# Altium PCB Rear Power Distibution.PcbDoc (part 2 of 3)
Units mm, origin at the board's own origin, x right, y up, seen from the top; angles counter-clockwise.
Board outline 150 x 110 mm, 4 copper layers (Component Side, Ground, Signal, Solder Side), stack 0.843 mm thick; 312 components, 205 nets, 1228 pads, 506 vias.
Unrouted connection lines stored in the file: 174.
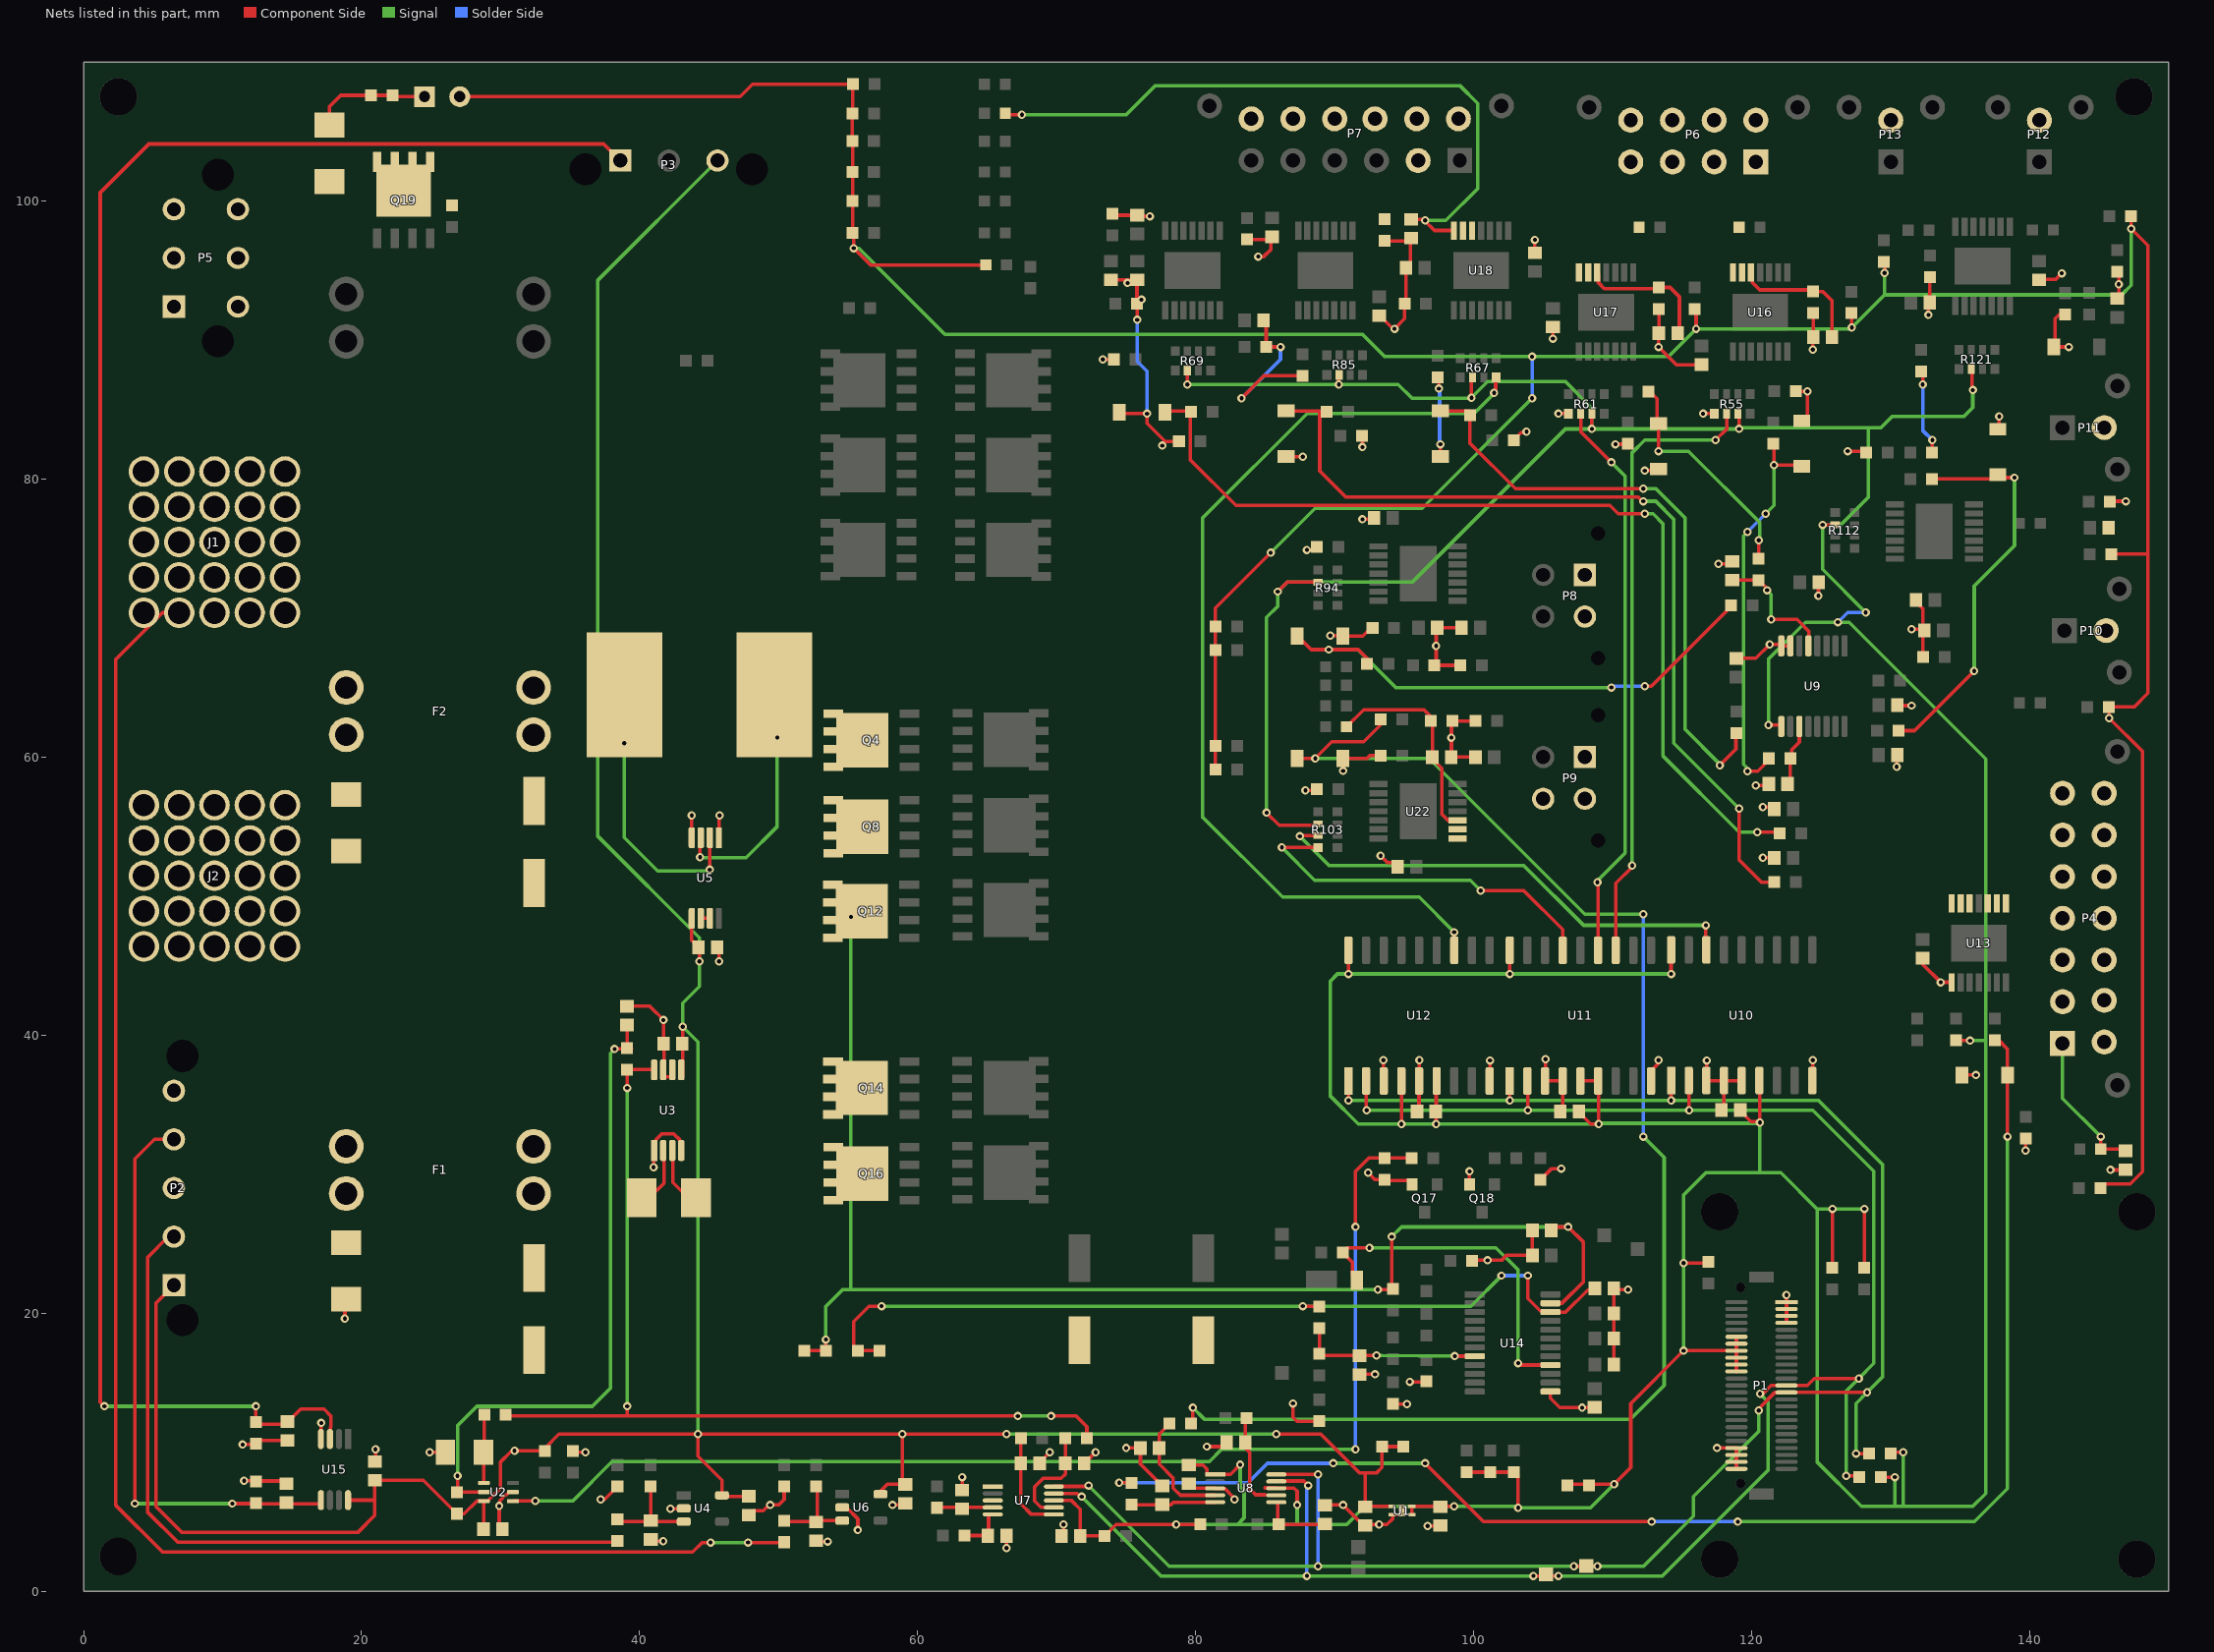
[diagram p4: the nets of this part, all layers, seen from the top]

## Part data (continued)
P10 P11 P12 P13: "Connector Header Through Hole 2 position", Contact Resistance=10mR, Current Rating=5A, Housing Colour=Black, Manufacturer=Molex, Manufacturer Part Number=43045-0227, Max Operating Temperature=105°C, Max Voltage Rating (DC)=250.25kV, Min Operating Temperature=-40°C, Package Quantity=3168, Supplier Part Number 1=WM10657-ND, Voltage Rating=600V, ComponentLink1Description=http://www.onlinecomponents.com/productFiles/mf-MOL/307170430450227_pcb_headers.pdf, ComponentLink1URL=http://www.onlinecomponents.com/productFiles/mf-MOL/307170430450227_pcb_headers.pdf, ComponentLink2Description=http://www.mouser.com/ds/2/276/0430450227_PCB_HEADERS-142611.pdf, ComponentLink2URL=http://www.mouser.com/ds/2/276/0430450227_PCB_HEADERS-142611.pdf, ComponentLink3Description=http://uk.rs-online.com/webdocs/13c3/0900766b813c3a46.pdf, ComponentLink3URL=http://uk.rs-online.com/webdocs/13c3/0900766b813c3a46.pdf, ComponentLink4Description=http://www.molex.com/webdocs/datasheets/pdf/en-us/0430450227_PCB_HEADERS.pdf, ComponentLink4URL=http://www.molex.com/webdocs/datasheets/pdf/en-us/0430450227_PCB_HEADERS.pdf, Contact Material=Brass, Contact Plating=Tin, Depth=8.77mm, Gender=Male, Glow Wire Compliant=Compliant, Halogen Free="Low Halogen", Housing Material=Thermoplastic, Length=7.15mm, Mount="Through Hole", Number of Circuits=2, Number of Contacts=2, Number of Ports=1, Number of Positions=2, Number of Rows=2, Number of Terminals=2, Orientation=Vertical, Packaging=Tray, Pitch=3mm, Pricing 1="1=0.84, 10=0.74, 25=0.6968, 50=0.6676, 100=0.6387, 250=0.5806, 500=0.52254, 1000=0.46448, 2500=0.42094 (USD)", Radiation Hardening=No, Row Spacing=3mm, Stock 1=3657, Supplier 1=Digi-Key, Termination=Solder
Q1 Q2 Q3 Q4 Q5 Q6 Q7 Q8 Q9 Q10 Q11 Q12 Q13 Q14 Q15 Q16 Q19: "P-Channel 16V 2.5A (Ta) 650mW (Ta) Surface Mount X2-DFN2015-3", Current - Continuous Drain (Id) @ 25°C="80A (Tc)", Drain to Source Voltage (Vdss)=40V, Drive Voltage (Max Rds On,  Min Rds On)="4.5V, 10V", Input Capacitance (Ciss) (Max) @ Vds="4840pF @ 20V", Operating Temperature="-55°C ~ 175°C (TJ", Package / Case=8-PowerTDFN, Power Dissipation (Max)="214W (Tj)", Supplier Device Package=FDWS9508L-F085OSCT-ND, ComponentLink1Description=https://www.onsemi.com/pub/Collateral/FDWS9508L-F085-D.PDF, ComponentLink1URL=https://www.onsemi.com/pub/Collateral/FDWS9508L-F085-D.PDF, FET Feature=-, FET Type=P-Channel, Gate Charge (Qg) (Max) @ Vgs="107nC @ 10V", Mounting Type="Surface Mount", Packaging="Cut Tape (CT)", Part Status=Active, Rds On (Max) @ Id, Vgs="4.9mOhm @ 80A, 10V", Supplier 1=Digi-Key, Supplier Part Number 1=FDWS9508L-F085OSCT-ND, Technology="MOSFET (Metal Oxide)", Vgs (Max)=±16V, Vgs(th) (Max) @ Id="3V @ 250μA"
Q17 Q18: "N-Channel 30V 6.2A (Ta) 900mW (Ta) Surface Mount SOT-23", Case/Package=TO-236-3, Continuous Drain Current (ID)=6.2A, Drain to Source Voltage (Vdss)=30V, Input Capacitance=873pF, Manufacturer=Diodes, Manufacturer Part Number=DMN3023L-7, Max Operating Temperature=150°C, Max Power Dissipation=900mW, Min Operating Temperature=-55°C, Supplier Part Number 1=DMN3023L-7DICT-ND, ComponentLink1Description=https://www.diodes.com/assets/Datasheets/DMN3023L.pdf, ComponentLink1URL=https://www.diodes.com/assets/Datasheets/DMN3023L.pdf, ComponentLink2Description=http://www.mouser.com/ds/2/115/DMN3023L-959533.pdf, ComponentLink2URL=http://www.mouser.com/ds/2/115/DMN3023L-959533.pdf, Mount="Surface Mount", Packaging="Tape and Reel", Pricing 1="1=0.47, 10=0.368, 100=0.2529, 500=0.1734, 1000=0.1301 (USD)", Rds On Max=25mR, Stock 1=38246, Supplier 1=Digi-Key
R1 R2 R3 R21 R22 R23 R24 R25 R28 R31 R58 R59 R64 R65 R75 R76 R77 R78 R89 R90 R98 R99 R107 R108 R116 R117 R125 R126: "4.7k Ohm ±1% 0.1W, 1/10W Chip Resistor 0603 (1608 Metric) Moisture Resistant Thick Film", Manufacturer 1=Yageo, Manufacturer Part Number 1=RC0603FR-074K7L, Operating Temperature="-55¡ãC ~ 155¡", Package / Case="0603 (1608 Metric)", Power (Watts)=1/10W, Resistance (Ohms)=4.7k, Supplier Device Package=0603, Supplier Part Number 1=311-4.70KHRCT-ND, Temperature Coefficient=¡À100ppm/¡, Tolerance=±1%, Category=Resistors, ComponentLink1Description=http://www.yageo.com/documents/recent/PYu-RC_Group_51_RoHS_L_7.pdf, ComponentLink1URL=http://www.yageo.com/documents/recent/PYu-RC_Group_51_RoHS_L_7.pdf, Composition="Thick Film", Description 1="RES SMD 4.7K OHM 1% 1/10W 0603", Failure Rate=-, Features="Moisture Resistant", Height - Seated (Max)="0.022\" (0.55mm)", Packaging="Cut Tape (CT)", Part Status=Active, Pricing 1="1=0.16, 10=0.022, 100=0.0089, 1000=0.00402, 2500=0.00349 (CAD)", RoHS="RoHS Compliant", Size / Dimension="0.063\" L x 0.031\" W (1.60mm x 0.80mm)", Stock 1=3487566, Supplier 1=Digi-Key
R4 R14 R20 R30 R33 R45 R46 R50 R52 R54 R57 R63 R79 R80 R81 R82 R91 R92 R100 R101 R109 R110 R118 R119 R127 R128: "RES SMD 10K OHM 1% 1/10W 0603", Manufacturer 1=Yageo, Manufacturer Part Number 1=RC0603FR-0710KL, Operating Temperature="-55¡ãC ~ 155¡", Package / Case="0603 (1608 Metric)", Power=1/10W, Resistance=10k, Supplier Device Package=0603, Supplier Part Number 1=311-10.0KHRCT-ND, Temperature Coefficient=¡À100ppm/¡, Tolerance=±1%, ComponentLink1Description=http://www.yageo.com/documents/recent/PYu-RC_Group_51_RoHS_L_7.pdf, ComponentLink1URL=http://www.yageo.com/documents/recent/PYu-RC_Group_51_RoHS_L_7.pdf, Composition="Thick Film", Failure Rate=-, Height - Seated (Max)="0.022\" (0.55mm)", Packaging="Cut Tape (CT)", Part Status=Active, Size / Dimension="0.063\" L x 0.031\" W (1.60mm x 0.80mm)", Supplier 1=Digi-Key
R5: "0.003 Ohm ±1% 1.5W Chip Resistor 2010 (5025 Metric) Current Sense, Moisture Resistant Metal Foil", Manufacturer 1="Stackpole Electronics Inc.", Manufacturer Part Number 1=CSNL2010FT3L00, Operating Temperature="-55¡ãC ~ 170¡", Package / Case="2010 (5025 Metric)", Power (Watts)=1.5W, Resistance (Ohms)=0.003R, Supplier Device Package=2010, Supplier Part Number 1=CSNL2010FT3L00CT-ND, Temperature Coefficient=¡À50ppm/¡, Tolerance=±1%, Category=Resistors, ComponentLink1Description=https://www.seielect.com/Catalog/SEI-csnl.pdf, ComponentLink1URL=https://www.seielect.com/Catalog/SEI-csnl.pdf, Composition="Metal Foil", Description 1="RES SMD 0.003 OHM 1% 1.5W 2010", Failure Rate=-, Features="Current Sense, Moisture Resistant", Height - Seated (Max)="0.041\" (1.04mm)", Packaging="Cut Tape (CT)", Part Status=Active, Pricing 1="1=1.02, 10=0.844, 25=0.7232, 50=0.6508, 100=0.5665, 250=0.5062, 500=0.4098, 1000=0.33145 (CAD)", RoHS="RoHS Compliant", Size / Dimension="0.200\" L x 0.100\" W (5.08mm x 2.54mm)", Stock 1=18532, Supplier 1=Digi-Key
R6: "11.8k Ohm ±1% 0.1W, 1/10W Chip Resistor 0603 (1608 Metric) Moisture Resistant Thick Film", Manufacturer=Yageo, Manufacturer Part Number=RC0603FR-0711K8L, Operating Temperature="-55¡ãC ~ 155¡", Package / Case="0603 (1608 Metric)", Power (Watts)=1/10W, Resistance (Ohms)=11.8k, Supplier Device Package=0603, Supplier Part Number 1=311-11.8KHRCT-ND, Temperature Coefficient=¡À100ppm/¡, Tolerance=±1%, Category=Resistors, ComponentLink1Description=http://www.yageo.com/documents/recent/PYu-RC_Group_51_RoHS_L_7.pdf, ComponentLink1URL=http://www.yageo.com/documents/recent/PYu-RC_Group_51_RoHS_L_7.pdf, Composition="Thick Film", Failure Rate=-, Features="Moisture Resistant", Height - Seated (Max)="0.022\" (0.55mm)", Packaging="Cut Tape (CT)", Part Status=Active, Pricing 1="1=0.16, 10=0.022, 100=0.0089, 1000=0.00402, 2500=0.00349 (CAD)", RoHS="RoHS Compliant", Size / Dimension="0.063\" L x 0.031\" W (1.60mm x 0.80mm)", Stock 1=203280, Supplier 1=Digi-Key
R7: library part "RES 1K OHM 5% 1/10W 0603", "1k Ohm ±5% 0.1W, 1/10W Chip Resistor 0603 (1608 Metric)", Manufacturer=Yageo, Manufacturer Part Number=RC0603JR-071KL, Operating Temperature="-55¡ãC ~ 155¡", Package / Case="0603 (1608 Metric)", Power (Watts)="0.1W, 1/10W", Resistance (Ohms)=1k, Supplier Device Package=0603, Supplier Part Number 1=311-1.0KGRCT-ND, Temperature Coefficient=¡À100ppm/¡, Tolerance=±5%, Category=Resistors, ComponentLink1Description=http://www.yageo.com/documents/recent/PYu-RC_Group_51_RoHS_L_7.pdf, ComponentLink1URL=http://www.yageo.com/documents/recent/PYu-RC_Group_51_RoHS_L_7.pdf, Composition="Thick Film", Failure Rate=-, Features="Moisture Resistant", Height - Seated (Max)="0.022\" (0.55mm)", Packaging="Cut Tape (CT)", Part Status=Active, Pricing 1="1=0.15, 10=0.017, 100=0.0071, 1000=0.0032, 2500=0.00278 (CAD)", RoHS="RoHS Compliant", Size / Dimension="0.063\" L x 0.031\" W (1.60mm x 0.80mm)", Stock 1=4415240, Supplier 1=Digi-Key
R8 R10 R12 R16 R18 R40 R41 R51 R53: "100 Ohm ±1% 0.1W, 1/10W Chip Resistor 0603 (1608 Metric) Moisture Resistant Thick Film", Manufacturer 1=Yageo, Manufacturer Part Number 1=RC0603FR-07100RL, Operating Temperature="-55¡ãC ~ 155¡", Package / Case="0603 (1608 Metric)", Power=1/10W, Resistance=100, Supplier Device Package=0603, Supplier Part Number 1=311-100HRCT-ND, Temperature Coefficient=¡À100ppm/¡, Tolerance=±1%, ComponentLink1Description=http://www.yageo.com/documents/recent/PYu-RC_Group_51_RoHS_L_7.pdf, ComponentLink1URL=http://www.yageo.com/documents/recent/PYu-RC_Group_51_RoHS_L_7.pdf, Composition="Thick Film", Failure Rate=-, Height - Seated (Max)="0.022\" (0.55mm)", Packaging="Cut Tape (CT)", Part Status=Active, Size / Dimension="0.063\" L x 0.031\" W (1.60mm x 0.80mm)", Supplier 1=Digi-Key
R9: "RES SMD 0.0 OHM JUMPER 1/4W 0603", Manufacturer 1="Vishay Dale", Manufacturer Part Number 1=CRCW06030000Z0EAHP, Operating Temperature="-55¡ãC ~ 155¡", Package / Case="0603 (1608 Metric)", Power (Watts)=1/4W, Resistance=0.0, Supplier Device Package=0603, Supplier Part Number 1=541-0.0SBCT-ND, ComponentLink1Description=http://www.vishay.com/docs/20043/crcwhpe3.pdf, ComponentLink1URL=http://www.vishay.com/docs/20043/crcwhpe3.pdf, Composition="Thick Film", Failure Rate=-, Height - Seated (Max)="0.022\" (0.55mm)", Packaging="Cut Tape (CT)", Part Status=Active, Size / Dimension="0.063\" L x 0.033\" W (1.60mm x 0.85mm)", Supplier 1=Digi-Key
R11: "RES SMD 470K OHM 1% 1/4W 0603", Manufacturer 1="Panasonic Electronic Components", Manufacturer Part Number 1=ERJ-PA3F4703V, Operating Temperature="-55¡ãC ~ 155¡", Package / Case="0603 (1608 Metric)", Power=1/4W, Resistance=470k, Supplier Device Package=0603, Supplier Part Number 1=P470KBYCT-ND, Temperature Coefficient=¡À100ppm/¡, Tolerance=±1%, ComponentLink1Description=https://industrial.panasonic.com/cdbs/www-data/pdf/RDO0000/AOA0000C291.pdf, ComponentLink1URL=https://industrial.panasonic.com/cdbs/www-data/pdf/RDO0000/AOA0000C291.pdf, Composition="Thick Film", Failure Rate=-, Height - Seated (Max)="0.022\" (0.55mm)", Packaging="Cut Tape (CT)", Part Status=Active, Size / Dimension="0.063\" L x 0.031\" W (1.60mm x 0.80mm)", Supplier 1=Digi-Key
R13 R19: "RES SMD 100K OHM 5% 1/10W 0603", Manufacturer 1=Yageo, Manufacturer Part Number 1=RC0603JR-07100KL, Operating Temperature="-55¡ãC ~ 155¡", Package / Case="0603 (1608 Metric)", Power=1/10W, Resistance=100k, Supplier Device Package=0603, Supplier Part Number 1=311-100KGRCT-ND, Temperature Coefficient=¡À100ppm/¡, Tolerance=±5%, ComponentLink1Description=http://www.yageo.com/documents/recent/PYu-RC_Group_51_RoHS_L_7.pdf, ComponentLink1URL=http://www.yageo.com/documents/recent/PYu-RC_Group_51_RoHS_L_7.pdf, Composition="Thick Film", Failure Rate=-, Height - Seated (Max)="0.022\" (0.55mm)", Packaging="Cut Tape (CT)", Part Status=Active, Size / Dimension="0.063\" L x 0.031\" W (1.60mm x 0.80mm)", Supplier 1=Digi-Key
R15: "4 mOhms ±1% 7W Chip Resistor Nonstandard Automotive AEC-Q200, Current Sense, Moisture Resistant Metal Element", Case/Package=5931, Manufacturer 1=Yageo, Manufacturer Part Number 1=PU5931FKMP70R004L, Max Operating Temperature=170°C, Max Power Dissipation=7W, Min Operating Temperature=-65°C, Resistance=4mR, Supplier Part Number 1=YAG4096CT-ND, Temperature Coefficient=75ppm/°C, Tolerance=1%, ComponentLink1Description=http://www.yageo.com/documents/recent/PYu-PU_51_RoHS_L_3.pdf, ComponentLink1URL=http://www.yageo.com/documents/recent/PYu-PU_51_RoHS_L_3.pdf, Composition="Metal Element", Description 1="RES SMD 0.004 OHM 1% 7W 5931", Height=0.015inch, Length=0.591inch, Number of Terminations=2, Packaging="Cut Tape", Pricing 1="1=2.06, 10=1.823, 25=1.6904, 50=1.5912, 100=1.3922, 250=1.19336, 500=0.99446 (USD)", Stock 1=1097, Supplier 1=Digi-Key, Width=0.305inch
R17: "RES SMD 470K OHM 1% 1/4W 0603", Manufacturer 1="Panasonic Electronic Components", Manufacturer Part Number 1=ERJ-PA3F4703V, Operating Temperature="-55¡ãC ~ 155¡", Package / Case="0603 (1608 Metric)", Resistance=470k, Supplier Device Package=0603, Supplier Part Number 1=P470KBYCT-ND, Temperature Coefficient=¡À100ppm/¡, Tolerance=±1%, ComponentLink1Description=https://industrial.panasonic.com/cdbs/www-data/pdf/RDO0000/AOA0000C291.pdf, ComponentLink1URL=https://industrial.panasonic.com/cdbs/www-data/pdf/RDO0000/AOA0000C291.pdf, Composition="Thick Film", Failure Rate=-, Height - Seated (Max)="0.022\" (0.55mm)", Packaging="Cut Tape (CT)", Part Status=Active, Size / Dimension="0.063\" L x 0.031\" W (1.60mm x 0.80mm)", Supplier 1=Digi-Key
R26 R27: "15 kOhms ±1% 0.1W, 1/10W Chip Resistor 0603 (1608 Metric) Moisture Resistant Thick Film", Case/Package=0603, Case Code (Metric)=1608, Manufacturer=Yageo, Manufacturer Part Number=RC0603FR-0715KL, Max Operating Temperature=155°C, Max Power Dissipation=100mW, Min Operating Temperature=-55°C, Package Quantity=1, Resistance=15kR, Supplier Part Number 1=311-15.0KHRCT-ND, Temperature Coefficient=100ppm/°C, Tolerance=1%, Voltage Rating=50V, Case Code (Imperial)=0603, ComponentLink1Description=http://www.yageo.com/documents/recent/PYu-RC_Group_51_RoHS_L_10.pdf, ComponentLink1URL=http://www.yageo.com/documents/recent/PYu-RC_Group_51_RoHS_L_10.pdf, ComponentLink2Description=http://www.yageo.com/documents/recent/PYu-RC_Group_51_RoHS_L_9.pdf, ComponentLink2URL=http://www.yageo.com/documents/recent/PYu-RC_Group_51_RoHS_L_9.pdf, ComponentLink3Description=https://www.verical.com/server-webapp/html/getDatasheet?partID=327895, ComponentLink3URL=https://www.verical.com/server-webapp/html/getDatasheet?partID=327895, Composition="Thick Film", Depth=0.8mm, Features="Moisture Resistant", Height=0.022inch, Lead Free="Lead Free", Length=1.6mm, Military Standard=Not, Number of Pins=2, Number of Terminations=2, Packaging="Tape and Reel", Power Rating=100mW, Pricing 1="1 = 0.10000, 10 = 0.02400, 100 = 0.00970, 1000 = 0.00437, 2500 = 0.00379 (USD)", REACH SVHC=Unknown, RoHS=Yes, Stock 1=8520111, Supplier 1=Digi-Key, Termination=SMD/SMT, Voltage Rating (DC)=50V, Width=0.031inch
R29 R60 R66 R83 R84 R93 R102 R111 R120 R129: "1.21k Ohm ±1% 0.1W, 1/10W Chip Resistor 0603 (1608 Metric) Moisture Resistant Thick Film", Manufacturer 1=Yageo, Manufacturer Part Number 1=RC0603FR-071K21L, Operating Temperature="-55¡ãC ~ 155¡", Package / Case="0603 (1608 Metric)", Power=1/10W, Resistance=1.21k, Supplier Device Package=0603, Supplier Part Number 1=311-1.21KHRCT-ND, Temperature Coefficient=¡À100ppm/¡, Tolerance=±1%, ComponentLink1Description=http://www.yageo.com/documents/recent/PYu-RC_Group_51_RoHS_L_7.pdf, ComponentLink1URL=http://www.yageo.com/documents/recent/PYu-RC_Group_51_RoHS_L_7.pdf, Composition="Thick Film", Failure Rate=-, Height - Seated (Max)="0.022\" (0.55mm)", Packaging="Cut Tape (CT)", Part Status=Active, Size / Dimension="0.063\" L x 0.031\" W (1.60mm x 0.80mm)", Supplier 1=Digi-Key
R32: library part "RES 2.21K OHM 1% 1/10W 0603", "2.21 kOhms ±1% 0.1W, 1/10W Chip Resistor 0603 (1608 Metric) Automotive AEC-Q200, Moisture Resistant Thick Film", Case/Package=0603, Case Code (Metric)=1608, Manufacturer=Yageo, Manufacturer Part Number=AC0603FR-072K21L, Max Operating Temperature=155°C, Max Power Dissipation=100mW, Min Operating Temperature=-55°C, Resistance=2.21kR, Supplier Part Number 1=YAG3586CT-ND, Temperature Coefficient=100ppm/°C, Tolerance=1%, Voltage Rating=50V, Working Voltage=75V, Case Code (Imperial)=0603, ComponentLink1Description=https://datasheet.ciiva.com/12576/pyu-ac-51-rohs-l-2-12576458.pdf, ComponentLink1URL=https://datasheet.ciiva.com/12576/pyu-ac-51-rohs-l-2-12576458.pdf, Composition="Thick Film", Height=0.022inch, Lead Free="Lead Free", Length=0.063inch, Number of Terminations=2, Packaging="Tape and Reel", Power Rating=100mW, Pricing 1="1=0.1, 10=0.029, 100=0.0117, 1000=0.00527, 2500=0.00458 (USD)", Stock 1=11020, Supplier 1=Digi-Key, Termination=SMD/SMT, Weight=7.1E-05oz, Width=0.8mm
R34 R35: "RES SMD 10K OHM 1% 1/10W 0603", Manufacturer 1=Yageo, Manufacturer Part Number 1=RC0603FR-0710KL, Operating Temperature="-55¡ãC ~ 155¡", Package / Case="0603 (1608 Metric)", Resistance=10k, Supplier Device Package=0603, Supplier Part Number 1=311-10.0KHRCT-ND, Temperature Coefficient=¡À100ppm/¡, Tolerance=±1%, ComponentLink1Description=http://www.yageo.com/documents/recent/PYu-RC_Group_51_RoHS_L_7.pdf, ComponentLink1URL=http://www.yageo.com/documents/recent/PYu-RC_Group_51_RoHS_L_7.pdf, Composition="Thick Film", Failure Rate=-, Height - Seated (Max)="0.022\" (0.55mm)", Packaging="Cut Tape (CT)", Part Status=Active, Size / Dimension="0.063\" L x 0.031\" W (1.60mm x 0.80mm)", Supplier 1=Digi-Key
R36 R37 R39: "1M Ohm ±1% 0.1W, 1/10W Chip Resistor 0603 (1608 Metric) Moisture Resistant Thick Film", Manufacturer 1=Yageo, Manufacturer Part Number 1=RC0603FR-071ML, Operating Temperature="-55¡ãC ~ 155¡", Package / Case="0603 (1608 Metric)", Resistance (Ohms)=1M, Supplier Device Package=0603, Supplier Part Number 1=311-1.00MHRCT-ND, Temperature Coefficient=¡À100ppm/¡, Tolerance=±1%, Category=Resistors, ComponentLink1Description=http://www.yageo.com/documents/recent/PYu-RC_Group_51_RoHS_L_7.pdf, ComponentLink1URL=http://www.yageo.com/documents/recent/PYu-RC_Group_51_RoHS_L_7.pdf, Composition="Thick Film", Description 1="RES SMD 1M OHM 1% 1/10W 0603", Failure Rate=-, Features="Moisture Resistant", Height - Seated (Max)="0.022\" (0.55mm)", Packaging="Cut Tape (CT)", Part Status=Active, Pricing 1="1=0.16, 10=0.022, 100=0.0089, 1000=0.00402, 2500=0.00349 (CAD)", RoHS="RoHS Compliant", Size / Dimension="0.063\" L x 0.031\" W (1.60mm x 0.80mm)", Stock 1=2336711, Supplier 1=Digi-Key
R38 R44: "11.3 kOhms ±0.1% 0.1W, 1/10W Chip Resistor 0603 (1608 Metric) Automotive AEC-Q200 Thin Film", Manufacturer="Panasonic Electronic Components", Operating Temperature="-55¡ãC ~ 155¡", Package / Case="0603 (1608 Metric)", Power (Watts)="0.1W, 1/10W", Resistance="11.3 kOhms", Supplier Device Package=0603, Supplier Part Number 1=P11.3KDBCT-ND, Temperature Coefficient=¡À25ppm/¡, Tolerance=±0.1%, Composition="Thin Film", Features="Automotive AEC-Q200", Height - Seated (Max)="0.022\" (0.55mm)", Number of Terminations=2, Packaging="Cut Tape (CT)", Part Status=Active, Series=ERA-3A, Size / Dimension="0.063\" L x 0.031\" W (1.60mm x 0.80mm)", Supplier 1=Digi-Key
R42: "255k Ohm ±1% 0.1W, 1/10W Chip Resistor 0603 (1608 Metric) Moisture Resistant Thick Film", Manufacturer 1=Yageo, Manufacturer Part Number 1=RC0603FR-07255KL, Operating Temperature="-55¡ãC ~ 155¡", Package / Case="0603 (1608 Metric)", Power (Watts)=1/10W, Resistance (Ohms)=255k, Supplier Device Package=0603, Supplier Part Number 1=311-255KHRCT-ND, Temperature Coefficient=¡À100ppm/¡, Tolerance=±1%, Category=Resistors, ComponentLink1Description=http://www.yageo.com/documents/recent/PYu-RC_Group_51_RoHS_L_7.pdf, ComponentLink1URL=http://www.yageo.com/documents/recent/PYu-RC_Group_51_RoHS_L_7.pdf, Composition="Thick Film", Description 1="RES SMD 255K OHM 1% 1/10W 0603", Failure Rate=-, Features="Moisture Resistant", Height - Seated (Max)="0.022\" (0.55mm)", Packaging="Cut Tape (CT)", Part Status=Active, Pricing 1="1=0.16, 10=0.022, 100=0.0089, 1000=0.00402, 2500=0.00349 (CAD)", RoHS="RoHS Compliant", Size / Dimension="0.063\" L x 0.031\" W (1.60mm x 0.80mm)", Stock 1=106564, Supplier 1=Digi-Key
R43 R48: "75 kOhms ±0.1% 0.1W, 1/10W Chip Resistor 0603 (1608 Metric) Automotive AEC-Q200 Thin Film", Manufacturer="Panasonic Electronic Components", Manufacturer Part Number=AC0603FR-0775RL, Operating Temperature="-55°C ~ 155°", Package / Case="0603 (1608 Metric)", Power (Watts)="0.1W, 1/10W", Supplier Device Package=0603, Supplier Part Number 1=P75KDBCT-ND, Temperature Coefficient=±25ppm/°, Tolerance=±0.1%, Category=Resistors, ComponentLink1Description=http://www.yageo.com/NewPortal/yageodocoutput?fileName=/pdf/R-Chip/PYu-AC_51_RoHS_L_6.pdf, ComponentLink1URL=http://www.yageo.com/NewPortal/yageodocoutput?fileName=/pdf/R-Chip/PYu-AC_51_RoHS_L_6.pdf, Composition="Thin Film", Failure Rate=-, Features="Automotive AEC-Q200", Height - Seated (Max)="0.022\" (0.55mm)", Packaging="Cut Tape (CT)", Part Status=Active, RoHS="RoHS Compliant", Size / Dimension="0.063\" L x 0.031\" W (1.60mm x 0.80mm)", Supplier 1=Digi-Key
R47 R49: "48.7 kOhms ±0.1% 0.1W, 1/10W Chip Resistor 0603 (1608 Metric) Automotive AEC-Q200 Thin Film", Manufacturer="Panasonic Electronic Components", Operating Temperature="-55°C ~ 155°", Package / Case="0603 (1608 Metric)", Power (Watts)="0.1W, 1/10W", Resistance="48.7 kOhms", Supplier Part Number 1=P4.87KDBCT-ND, Temperature Coefficient=±25ppm/°, Tolerance=±0.1%, Categories=Resistors, ComponentLink1Description=https://industrial.panasonic.com/cdbs/www-data/pdf/RDM0000/AOA0000C307.pdf, ComponentLink1URL=https://industrial.panasonic.com/cdbs/www-data/pdf/RDM0000/AOA0000C307.pdf, Composition="Thin Film", Features="Automotive AEC-Q200", Height - Seated (Max)="0.022\" (0.55mm)", Number of Terminations=2, Packaging="Cut Tape (CT)", Part Status=Active, Series=ERA-3A, Size / Dimension="0.063\" L x 0.031\" W (1.60mm x 0.80mm)", Supplier 1=Digi-Key, Supplier Device="Package 0603"
R55 R61 R67 R69 R85 R94 R103 R112 R121: "4.7k Ohm ±5% 62.5mW Power Per Element Isolated 4 Resistor Network/Array ±200ppm/°C 1206 (3216 Metric), Convex, Long Side Terminals", Number of Resistors=4, Operating Temperature="-55¡ãC ~ 125¡", Package / Case="1206 (3216 Metric), Convex, Long Side Terminals", Power Per Element=62.5mW, Resistance (Ohms)=4.7k, Resistor-Ratio-Drift=-, Supplier Device Package=1206, Supplier Part Number 1=Y9472CT-ND, Temperature Coefficient=¡À200ppm/¡, Tolerance=±5%, Applications=-, Applications Automotive=AEC-Q200, Category=Resistors, Circuit Type=Isolated, ComponentLink1Description=https://industrial.panasonic.com/cdbs/www-data/pdf/AOC0000/AOC0000C14.pdf, ComponentLink1URL=https://industrial.panasonic.com/cdbs/www-data/pdf/AOC0000/AOC0000C14.pdf, Height - Seated (Max)="0.024\" (0.60mm)", Mounting Type="Surface Mount", Number of Pins=8, Packaging="Cut Tape (CT)", Part Status=Active, Resistor Matching Ratio=-, Series=EXB, Size / Dimension="0.126\" L x 0.063\" W (3.20mm x 1.60mm)", Supplier 1=Digi-Key
R56 R62 R68 R70 R71 R72 R73 R74 R86 R87 R88 R95 R96 R97 R104 R105 R106 R113 R114 R115 R122 R123 R124: "47 kOhms ±1% 0.1W, 1/10W Chip Resistor 0603 (1608 Metric) Automotive AEC-Q200 Thick Film", Case/Package=0603, Case Code (Metric)=1608, Manufacturer=Panasonic, Manufacturer Part Number=ERJ3EKF4702V, Max Operating Temperature=155°C, Max Power Dissipation=100mW, Min Operating Temperature=-55°C, Package Quantity=1, Power Rating=1/10W, Resistance=47k, Supplier Part Number 1=P47.0KHCT-ND, Temperature Coefficient=100ppm/°C, Tolerance=1%, Voltage Rating=75V, Working Voltage=6V, Case Code (Imperial)=0603, ComponentLink1Description=https://industrial.panasonic.com/cdbs/www-data/pdf/RDO0000/AOA0000C291.pdf, ComponentLink1URL=https://industrial.panasonic.com/cdbs/www-data/pdf/RDO0000/AOA0000C291.pdf, ComponentLink2Description=https://datasheet.ciiva.com/6138/aoa0000ce2-6138149.pdf?src-supplier=Farnell, ComponentLink2URL=https://datasheet.ciiva.com/6138/aoa0000ce2-6138149.pdf?src-supplier=Farnell, ComponentLink3Description=https://datasheet.ciiva.com/7802/aoa0000ce2-7802421.pdf?src-supplier=Element14, ComponentLink3URL=https://datasheet.ciiva.com/7802/aoa0000ce2-7802421.pdf?src-supplier=Element14, ComponentLink4Description=https://datasheet.ciiva.com/48531/aoa0000ce2-48531029.pdf?src-supplier=Avnet, ComponentLink4URL=https://datasheet.ciiva.com/48531/aoa0000ce2-48531029.pdf?src-supplier=Avnet, ComponentLink5Description=https://datasheet.ciiva.com/16514/aoa0000ce2-16514071.pdf?src-supplier=Avnet+Asia, ComponentLink5URL=https://datasheet.ciiva.com/16514/aoa0000ce2-16514071.pdf?src-supplier=Avnet+Asia, ComponentLink6Description=https://datasheet.ciiva.com/46398/1678782-46398088.pdf?src-supplier=Element14, ComponentLink6URL=https://datasheet.ciiva.com/46398/1678782-46398088.pdf?src-supplier=Element14, ComponentLink7Description=https://datasheet.ciiva.com/24069/aoa0000ce2-24069209.pdf?src-supplier=Mouser, ComponentLink7URL=https://datasheet.ciiva.com/24069/aoa0000ce2-24069209.pdf?src-supplier=Mouser, ComponentLink8Description=https://datasheet.ciiva.com/46398/1678782-46398089.pdf?src-supplier=Element14, ComponentLink8URL=https://datasheet.ciiva.com/46398/1678782-46398089.pdf?src-supplier=Element14, ComponentLink9Description=https://datasheet.ciiva.com/30236/aoa0000ce2-30236698.pdf?src-supplier=Onlinecomponents.com, ComponentLink9URL=https://datasheet.ciiva.com/30236/aoa0000ce2-30236698.pdf?src-supplier=Onlinecomponents.com, ComponentLink10Description=https://datasheet.ciiva.com/22722/426256-22722781.pdf?src-supplier=Element14, ComponentLink10URL=https://datasheet.ciiva.com/22722/426256-22722781.pdf?src-supplier=Element14, ComponentLink11Description=https://datasheet.ciiva.com/16758/70260748-16758831.pdf?src-supplier=Allied+Electronics, ComponentLink11URL=https://datasheet.ciiva.com/16758/70260748-16758831.pdf?src-supplier=Allied+Electronics, Composition="Thick Film", Contact Plating=Tin, Depth=0.8mm, Features="Automotive AEC-Q200", Height=0.022inch, Lead Free="Lead Free", Length=1.6mm, Military Standard=Not, Mount="Surface Mount", Number of Pins=2, Number of Terminations=2, Packaging="Tape and Reel", Pricing 1="1 = 0.100000, 10 = 0.065000, 100 = 0.026400, 1000 = 0.011860, 2500 = 0.010290 (USD)", Radiation Hardening=No, REACH SVHC="No SVHC", RoHS=Yes, Stock 1=1704740, Supplier 1=Digi-Key, Termination=SMD/SMT, Voltage Rating (DC)=75V, Width=0.031inch
R130: "RES SMD 0.0 OHM JUMPER 1/4W 0603", Manufacturer 1="Vishay Dale", Manufacturer Part Number 1=CRCW06030000Z0EAHP, Operating Temperature="-55°C ~ 155°", Package / Case="0603 (1608 Metric)", Power (Watts)=1/4W, Resistance=0.0, Supplier Device Package=0603, Supplier Part Number 1=541-0.0SBCT-ND, ComponentLink1Description=http://www.vishay.com/docs/20043/crcwhpe3.pdf, ComponentLink1URL=http://www.vishay.com/docs/20043/crcwhpe3.pdf, Composition="Thick Film", Failure Rate=-, Height - Seated (Max)="0.022\" (0.55mm)", Packaging="Cut Tape (CT)", Part Status=Active, Size / Dimension="0.063\" L x 0.033\" W (1.60mm x 0.85mm)", Supplier 1=Digi-Key
TP3 TP4 TP5 TP6 TP7 TP16: Case/Package=0603, Case Code (Metric)=1608, Colour=Natural, Manufacturer 1="TE Connectivity", Manufacturer Part Number 1=1625854-3, Max Operating Temperature=125°C, Min Operating Temperature=-55°C, Package Quantity=2000, Resistance=0mR, Supplier Part Number 1=A106145CT-ND, Case Code (Imperial)=0603, ComponentLink1Description=https://datasheet.ciiva.com/30100/1773266-a-30100967.pdf, ComponentLink1URL=https://datasheet.ciiva.com/30100/1773266-a-30100967.pdf, ComponentLink2Description=https://datasheet.ciiva.com/8914/eng-ds-1773266-a-8914634.pdf, ComponentLink2URL=https://datasheet.ciiva.com/8914/eng-ds-1773266-a-8914634.pdf, ComponentLink3Description=https://datasheet.ciiva.com/6439/eng-ds-1773266-a-6439163.pdf, ComponentLink3URL=https://datasheet.ciiva.com/6439/eng-ds-1773266-a-6439163.pdf, ComponentLink4Description=https://datasheet.ciiva.com/6439/eng-ds-1773266-a-6439164.pdf, ComponentLink4URL=https://datasheet.ciiva.com/6439/eng-ds-1773266-a-6439164.pdf, ComponentLink5Description=https://datasheet.ciiva.com/6439/eng-ds-1773266-a-6439165.pdf, ComponentLink5URL=https://datasheet.ciiva.com/6439/eng-ds-1773266-a-6439165.pdf, Depth=0.8mm, Description 1="Thick Film Resistors - SMD 2000", Height=1.15mm, Length=1.6mm, Military Standard=Not, Mount="Surface Mount", Packaging="Tape and Reel", Pricing 1="1=0.22, 10=0.211, 25=0.18, 50=0.1574, 100=0.1462, 250=0.12932, 500=0.12368, 1000=0.1012 (USD)", Radiation Hardening=No, Stock 1=212628, Supplier 1=Digi-Key, Termination=SMD/SMT, Width=0.8mm
U1: Current - Limit (Min)=250mA, Current - Output=200mA, Manufacturer="Microchip Technology", Manufacturer Part Number=MIC94310, Operating Temperature="-40¡ãC ~ 125¡", Package / Case="4-UFDFN Exposed Pad", Supplier Device Package="4-TDFN (1.2x1.6)", Supplier Part Number 1=576-4761-1-ND, Voltage - Dropout (Typical)="0.04V @ 200mA", Voltage - Input="Up to 3.6V", Voltage - Output=3V, Category="Integrated Circuits (ICs)", ComponentLink1Description=http://www.microchip.com/mymicrochip/filehandler.aspx?ddocname=en580409, ComponentLink1URL=http://www.microchip.com/mymicrochip/filehandler.aspx?ddocname=en580409, Mounting Type="Surface Mount", Packaging="Cut Tape (CT)", Part Status=Active, Pricing 1="1=0.45, 25=0.3708, 100=0.3386 (CAD)", Regulator Topology="Positive Fixed", RoHS="RoHS Compliant", Stock 1=4802, Supplier 1=Digi-Key
U2: "Comparator with Latch CMOS, TTL SC-70-6", Supplier Part Number 1=ADCMP601BKSZ-R2CT-ND, ComponentLink1Description=https://www.analog.com/media/en/technical-documentation/data-sheets/ADCMP600_601_602.pdf, ComponentLink1URL=https://www.analog.com/media/en/technical-documentation/data-sheets/ADCMP600_601_602.pdf, Supplier 1=Digi-Key
U3 U5: library part "IC CURRENT AMPLIFIER INA240 8-TSSOP", "Current Sense Amplifier 1 Circuit 8-TSSOP", Current - Supply=1.8mA, Manufacturer 1="Texas Instruments", Manufacturer Part Number 1=INA240A3PWR, Operating Temperature="-40°C ~ 125°", Package / Case="8-TSSOP (0.173\", 4.40mm Width)", Supplier Device Package=8-TSSOP, Supplier Part Number 1=296-45090-1-ND, Voltage - Supply, Single/Dual (±)="2.7 V ~ 5.5 V", Amplifier Type="Current Sense", Category="Integrated Circuits (ICs)", ComponentLink1Description=http://www.ti.com/lit/ds/symlink/ina240.pdf, ComponentLink1URL=http://www.ti.com/lit/ds/symlink/ina240.pdf, Description 1="IC AMP CURRENT SENSE 8-TSSOP", Mounting Type="Surface Mount", Output Type=-, Packaging="Cut Tape (CT)", Part Status=Active, Pricing 1="1=3.79, 10=3.397, 100=2.7311, 500=2.24388, 1000=1.85921 (CAD)", RoHS="RoHS Compliant", Slew Rate="2 V/μs", Stock 1=1286, Supplier 1=Digi-Key
U4 U6: "General Purpose Amplifier 1 Circuit Rail-to-Rail SOT-23-5", Current - Output / Channel=50mA, Current - Supply=400μA, Manufacturer 1="Texas Instruments", Manufacturer Part Number 1=TLV316QDBVRQ1, Operating Temperature="-40°C ~ 125°", Package / Case="SC-74A, SOT-753", Supplier Device Package=SOT-23-5, Supplier Part Number 1=296-45323-1-ND, Voltage - Supply, Single/Dual (±)="1.8 V ~ 5.5 V, ±0.9 V ~ 2.75", -3db Bandwidth=-, Amplifier Type="General Purpose", Category="Integrated Circuits (ICs)", ComponentLink1Description=http://www.ti.com/lit/ds/symlink/tlv316-q1.pdf, ComponentLink1URL=http://www.ti.com/lit/ds/symlink/tlv316-q1.pdf, Description 1="IC OP AMP GP RR 10MHZ 5-SOT-23", Mounting Type="Surface Mount", Number of Circuits=1, Output Type=Rail-to-Rail, Packaging="Cut Tape (CT)", Part Status=Active, Pricing 1="1=1.33, 10=1.185, 100=0.9234, 500=0.76276, 1000=0.60218 (CAD)", RoHS="RoHS Compliant", Slew Rate="6 V/μs", Stock 1=1747, Supplier 1=Digi-Key
U7 U8: library part "IC ADC 12-BIT VSSOP-10", "12 Bit Analog to Digital Converter 4 Input 1 Sigma-Delta 10-VSSOP", Manufacturer="Texas Instruments", Manufacturer Part Number=ADS1015IDGSR, Operating Temperature="-40°C ~ 125°", Package / Case="10-TFSOP, 10-MSOP (0.118\", 3.00mm Width)", Supplier Device Package=10-VSSOP, Supplier Part Number 1=296-41185-1-ND, Voltage - Supply, Analog="2 V ~ 5.5 V", Architecture=Sigma-Delta, Category="Integrated Circuits (ICs)", ComponentLink1Description=http://www.ti.com/lit/ds/symlink/ads1013.pdf, ComponentLink1URL=http://www.ti.com/lit/ds/symlink/ads1013.pdf, Configuration=MUX-PGA-ADC, Data Interface=I2C, Features="PGA, Selectable Address", Input Type="Differential, Single Ended", Number of A/D Converters=1, Number of Bits=12, Number of Inputs="2, 4", Packaging="Cut Tape (CT)", Part Status=Active, Pricing 1="1=4.25, 10=3.807, 100=3.1194, 500=2.65552, 1000=2.23959 (CAD)", Ratio - S/H:ADC=-, Reference Type=Internal, RoHS="RoHS Compliant", Sampling Rate (Per Second)=3.3k, Stock 1=4084, Supplier 1=Digi-Key, Voltage - Supply, Digital="2 V ~ 5.5 V"
U9: "1 Circuit IC Switch 8:1 75Ohm 16-TSSOP", Channel Capacitance (CS(off), CD(off))="0.5pF, 23.4pF", Current - Leakage (IS(off)) (Max)=100nA, Manufacturer="Texas Instruments", On-State Resistance (Max)=75Ohm, Operating Temperature="-40°C ~ 125°C (TA", Package / Case="16-TSSOP (0.173\", 4.40mm Width)", Supplier Device Package=16-TSSOP, Supplier Part Number 1=296-29043-1-ND, Voltage - Supply, Dual (V±)=-, Voltage - Supply, Single (V+)="2V ~ 5.5V", -3db Bandwidth=35MHz, Channel-to-Channel Matching (ΔRon)=1.3Ohm, Charge Injection=-, ComponentLink1Description=http://www.ti.com/lit/ds/symlink/sn74lv4051a-q1.pdf, ComponentLink1URL=http://www.ti.com/lit/ds/symlink/sn74lv4051a-q1.pdf, Crosstalk=-, Multiplexer/Demultiplexer Circuit=8:1, Number of Circuits=1, Packaging="Cut Tape (CT)", Part Status=Active, Series="Automotive, AEC-Q100", Supplier 1=Digi-Key, Switch Circuit=-, Switch Time (Ton, Toff) (Max)="14ns, 14ns"
U10 U11 U12: library part "IC I/O EXPANDER I2C 8B 18SOIC", "MCP23008 I/O Expander 8B+1Int 18P SOIC", Current - Output Source/Sink=25mA, Manufacturer="Microchip Technology", Manufacturer Part Number=MCP23008T-E/SO, Operating Temperature="-40°C ~ 125°", Package / Case="18-SOIC (0.295\", 7.50mm Width)", Supplier Device Package=18-SOIC, Supplier Part Number 1=MCP23008T-E/SOCT-ND, Voltage - Supply="1.8 V ~ 5.5 V", Category="Integrated Circuits (ICs)", ComponentLink1Description=http://www.microchip.com/mymicrochip/filehandler.aspx?ddocname=en021920, ComponentLink1URL=http://www.microchip.com/mymicrochip/filehandler.aspx?ddocname=en021920, Features=POR, Interface=I2C, Interrupt Output=Yes, Mounting Type="Surface Mount", Number of I/O=8, Output Type=Push-Pull, Packaging="Cut Tape (CT)", Part Status=Active, Pricing 1="1=1.62, 25=1.3548, 100=1.2431 (CAD)", RoHS="RoHS Compliant", Stock 1=5607, Supplier 1=Digi-Key
U13: "Power Switch/Driver 1:1 N-Channel 15A PG-TSDSO-14-22", Manufacturer=Infineon, Manufacturer Part Number=BTS70041EPPXUMA1, Supplier Part Number 1=BTS70041EPPXUMA1CT-ND, ComponentLink1Description=https://www.infineon.com/dgdl/Infineon-BTS7004-1EPP-DS-v01_00-EN.pdf?fileId=5546d4626102d35a016147550a725555, ComponentLink1URL=https://www.infineon.com/dgdl/Infineon-BTS7004-1EPP-DS-v01_00-EN.pdf?fileId=5546d4626102d35a016147550a725555, RoHS=YES, Supplier 1=Digi-Key
U14: "OR Controller Source Selector Switch P-Channel 3:1 24-SSOP", Current - Output (Max)=-, Current - Supply=28μA, Manufacturer 1="Linear Technology", Manufacturer Part Number 1=LTC4417CGN#PBF, Operating Temperature="0°C ~ 70°", Package / Case="24-SSOP (0.154\", 3.90mm Width)", Supplier Device Package=24-SSOP, Supplier Part Number 1=LTC4417CGN#PBF-ND, Voltage - Supply="2.5 V ~ 36 V", ComponentLink1Description=http://www.linear.com/docs/42408, ComponentLink1URL=http://www.linear.com/docs/42408, FET Type=P-Channel, Internal Switch(s)=No, Mounting Type="Surface Mount", Packaging=Tube, Part Status=Active, Ratio - Input:Output=3:1, Supplier 1=Digi-Key, Type="Source Selector Switch"
U15: "General Purpose Amplifier 2 Circuit Rail-to-Rail 8-VSSOP", Case/Package=VSSOP, Input Bias Current=5pA, Input Offset Voltage (Vos)=250uV, Manufacturer="Texas Instruments", Manufacturer Part Number=OPA2197IDGKR, Max Operating Temperature=125°C, Min Operating Temperature=-40°C, Operating Supply Current=1mA, Output Current per Channel=65mA, Supplier Part Number 1=296-47349-1-ND, ComponentLink1Description=http://www.ti.com/lit/ds/symlink/opa2197.pdf, ComponentLink1URL=http://www.ti.com/lit/ds/symlink/opa2197.pdf, Gain Bandwidth Product=10MHz, Lead Free="Lead Free", Mount="Surface Mount", Number of Channels=2, Number of Circuits=2, Packaging="Tape and Reel", Pricing 1="1=2.41, 10=2.162, 100=1.7376, 500=1.4276, 1000=1.1829 (USD)", Slew Rate=20V/μs, Stock 1=2171, Supplier 1=Digi-Key
U16 U17: "Power Switch/Driver 1:1 N-Channel 4.5A PG-TSDSO-14-22", Manufacturer=Infineon, Manufacturer Part Number=BTS70401EPAXUMA1, Supplier Part Number 1=BTS70401EPAXUMA1CT-ND, ComponentLink1Description=https://www.infineon.com/dgdl/Infineon-BTS7040-1EPA-DS-v01_00-EN.pdf?fileId=5546d462636cc8fb0163fe8f965308bc, ComponentLink1URL=https://www.infineon.com/dgdl/Infineon-BTS7040-1EPA-DS-v01_00-EN.pdf?fileId=5546d462636cc8fb0163fe8f965308bc, Supplier 1=Digi-Key
U18 U19 U20 U21 U22 U23 U24: "Power Switch/Driver 1:1 N-Channel 1.2A PG-TSDSO-14-22", Manufacturer=Infineon, Manufacturer Part Number=BTS72002EPAXUMA1, Supplier Part Number 1=BTS72002EPAXUMA1CT-ND, ComponentLink1Description=https://www.infineon.com/dgdl/Infineon-BTS7200-2EPA-DS-v01_00-EN.pdf?fileId=5546d462636cc8fb016421e548a61215, ComponentLink1URL=https://www.infineon.com/dgdl/Infineon-BTS7200-2EPA-DS-v01_00-EN.pdf?fileId=5546d462636cc8fb016421e548a61215, Pricing 1="1=1.31000, 10=1.17500, 100=0.91640, 500=0.75700, 1000=0.59763 (USD)", RoHS=No, Stock 1=1973, Supplier 1=Digi-Key

## Free pads (board coordinates)
  round 2.7 hole 2.7: ""(2.5,2.5) ""(2.5,107.5) ""(117.7,2.3) ""(117.7,27.3) ""(147.5,107.5) ""(147.7,2.3) ""(147.7,27.3)

## Via types
v1: diameter 0.6, hole 0.3, Component Side to Solder Side, tented both sides, 506 vias

## Nets (pads, with @x,y where several pads share a name; then routed paths per layer and width w, separated by ;. In a path a pad name is that pad's centre, name@x,y a point inside that pad or via, vN(x,y) a via of type N, cw(c..) or ccw(c..) an arc to the next point about the centre after c; other vN are vias at no path point)
3V3: C1.1 C18.1 C19.1 C20.1 C21.1 C22.1 P1.40 P1.41 P1.42 P1.43 P1.44 P1.45 R1.1 R2.1 R21.1 R22.1 R23.1 R24.1 R25.1 R27.1 R33.1 R34.1 R35.1 R55.3 R61.3 R67.2 R69.2 R85.2 R94.2 R103.2 R112.2 R121.2 TP3.1 U1.3 U1.4 U7.8 U8.1 U8.8 U9.16 U10.6 U10.18 U11.5 U11.6 U11.18 U12.4 U12.6 U12.18 | length 477.8
  Component Side w0.254: U7.8@69.802,6.527 69.811,6.518 71.082,6.518 71.702,5.898 C18.1@71.702,3.973 R21.1@73.452,3.973 74.279,4.8 v1(78.6,4.8) R22.1@80.325,4.8 ; v1(79.4,86.8) R69.2@79.4,87.8 ; C19.1@79.5,9.075 C19.1@79.504,9.075 80.525,9.075 80.8,8.8 U8.1@80.8,8.4 ; U8.1@81.406,8.406 82.506,8.406 v1(83.2,9.1) ; 85,7.429 85.8,7.429 85.809,7.421 87.079,7.421 87.3,7.2 v1(87.3,6.2) ; v1(85.1,56) 86,55.1 88.7,55.1 R103.2@88.8,55.2 ; v1(85.9,71.9) 86.6,72.6 R94.2@88.8,72.6 ; v1(90.3,86.8) 90.3,87.38 R85.2@90.32,87.4 ; U12.18@90.994,46.094 90.994,44.406 v1(91,44.4) ; U12.4@94.798,36.7 94.8,36.698 v1(94.8,33.6) ; U1.3@95.554,5.5 U1.4@95.554,6.1 C1.1@97.725,6.1 ; v1(97.3,33.6) 97.3,36.538 97.4,36.638 U12.6@97.338,36.7 ; C1.1@97.676,6 97.776,6.1 v1(98.6,6.1) ; R35.1@99.491,8.562 R34.1@101.196,8.562 R33.1@102.9,8.562 103.2,8.262 v1(103.2,6) ; v1(99.839,85.839) 99.839,87.348 R67.2@99.891,87.4 ; v1(102.6,44.4) U11.18@102.6,46.094 ; TP3.1@106.75,7.6 106.85,7.7 v1(110.1,7.7) 111.3,8.9 111.3,13.5 v1(115.1,17.3) P1.43@118.9,17.3 ; C21.1@107.575,34.5 107.575,34.45 108.425,33.6 v1@108.828,33.6 ; U11.5@107.674,36.7 U11.6@108.944,36.7 108.972,36.672 v1@108.972,33.8 ; v1(108.5,83.6) R61.3@108.5,84.7 ; v1(114.2,44.4) U10.18@114.2,46.1 ; v1(115.1,23.6) R25.1@116.9,23.6 ; P1.40@118.9,15.8 P1.41@118.9,16.3 P1.42@118.9,16.8 P1.43@118.9,17.3 ; P1.45@118.9,18.3 P1.44@118.9,17.8 P1.43@118.9,17.3 ; R55.3@119,84.7 119.1,84.6 v1(119.1,83.6) ; C20.1@119.175,34.6 119.175,34.55 119.946,33.779 120.521,33.779 v1@120.575,33.725 ; U10.6@120.55,36.7 120.575,36.675 v1@120.575,33.725 ; v1(120.588,33.712) v1@120.575,33.725 ; v1(121.2,62.3) 122.027,62.3 122.125,62.202 U9.16@122.125,62.2 ; v1(125.1,76.7) R112.2@126,76.7 ; R24.1@125.8,23.275 v1(125.8,27.5) ; R23.1@128.1,23.275 128.3,23.475 128.1,23.675 v1(128.1,27.5) ; R2.1@129.275,8.2 v1(130.3,8.2) ; R1.1@130,9.904 130.004,9.9 130.104,10 v1(130.9,10) ; R27.1@134.7,39.625 134.725,39.6 v1(135.7,39.6) ; R121.2@135.8,87.9 135.85,87.85 135.85,86.45 v1(135.9,86.4)
  Signal w0.254: v1(78.6,4.8) 83,4.8 ; v1(79.4,86.8) v1(90.3,86.8) 94.57,86.8 95.55,85.819 99.819,85.819 v1(99.839,85.839) 101,87 106.6,87 108.5,85.1 v1(108.5,83.6) ; v1(83.2,9.1) 83.2,7.5 83.481,7.219 83.481,5.281 83,4.8 ; v1(85.1,56) 85.1,70.037 85.9,70.837 v1(85.9,71.9) 86.6,72.6 95.6,72.6 106.6,83.6 v1(108.5,83.6) ; v1(87.3,6.2) 87.3,4.8 ; v1@108.906,33.6 v1(97.3,33.6) v1(94.8,33.6) 91.7,33.6 89.7,35.6 89.7,43.9 90.2,44.4 v1(91,44.4) v1(102.6,44.4) v1(114.2,44.4) ; v1(109,33.6) 109.056,33.656 120.531,33.656 v1(120.588,33.712) 120.588,30.113 120.6,30.1 122.1,30.1 124.7,27.5 ; v1(110.1,7.7) 108.4,6 v1(103.2,6) 103.1,6.1 v1(98.6,6.1) 92.164,6.1 90.864,4.8 87.3,4.8 ; v1(115.1,17.3) v1(115.1,23.6) 115.1,28.5 116.7,30.1 120.588,30.1 ; v1(119.1,83.6) v1(108.5,83.6) ; v1@119.2,83.7 128.4,83.7 ; v1(121.2,62.3) 121.2,67.037 123.863,69.7 v1(126.2,69.7) 127,69.7 136.831,59.869 136.831,39.6 ; v1(128.1,27.5) v1(125.8,27.5) 124.7,27.5 ; v1(128.2,70.4) 125.1,73.5 v1(125.1,76.7) 126.4,76.7 128.4,78.7 128.4,83.7 ; v1(130.3,8.2) 130.3,6.1 ; v1(130.9,10) 130.9,6.1 ; v1(135.7,39.6) 136.831,39.6 ; v1(135.9,86.4) 135.9,85.137 135.263,84.5 130.1,84.5 129.3,83.7 128.4,83.7 ; 83,4.8 87.3,4.8 ; 124.7,27.5 124.7,9.3 127.9,6.1 130.3,6.1 ; 130.3,6.1 130.9,6.1 ; 130.9,6.1 135.9,6.1 136.831,7.031 136.831,39.6
  Solder Side w0.254: v1(126.2,69.7) 126.9,70.4 v1(128.2,70.4)
ADC_I2C_SCL: P1.14 R1.2 TP2.TP U7.10 U8.10 U10.1 U11.1 U12.1 | length 146.3
  Component Side w0.254: U7.10@69.802,7.527 69.811,7.536 72.236,7.536 v1(72.3,7.6) ; U8.10@85.8,8.429 85.829,8.4 v1(88.8,8.4) ; U12.1@90.988,36.7 90.994,36.694 90.994,35.306 v1(91,35.3) ; U11.1@102.594,36.7 102.597,36.697 102.597,35.303 v1(102.6,35.3) ; v1(107.2,1.8) TP2.TP@108.1,1.8 v1(108.9,1.8) ; v1(114.2,35.3) U10.1@114.2,36.7 ; v1(120.5,13) 120.566,13.066 120.566,13.197 121.66,14.291 122.491,14.291 P1.14@122.5,14.3 v1(128.3,14.3) ; v1(127.5,9.9) R1.2@128.45,9.9